# Altium PCB ASCII_LimeSDR-USB_1v4s.PcbDoc (part 8 of 10)
Units mm, origin at the board's own origin, x right, y up, seen from the top; angles counter-clockwise.
Board outline 100 x 60 mm, 12 copper layers (Top, L2, L3, L4, L5, L6, L7, L8, L9, L10, L11, Bottom), stack 1.58 mm thick; 858 components, 627 nets, 4058 pads, 2110 vias.
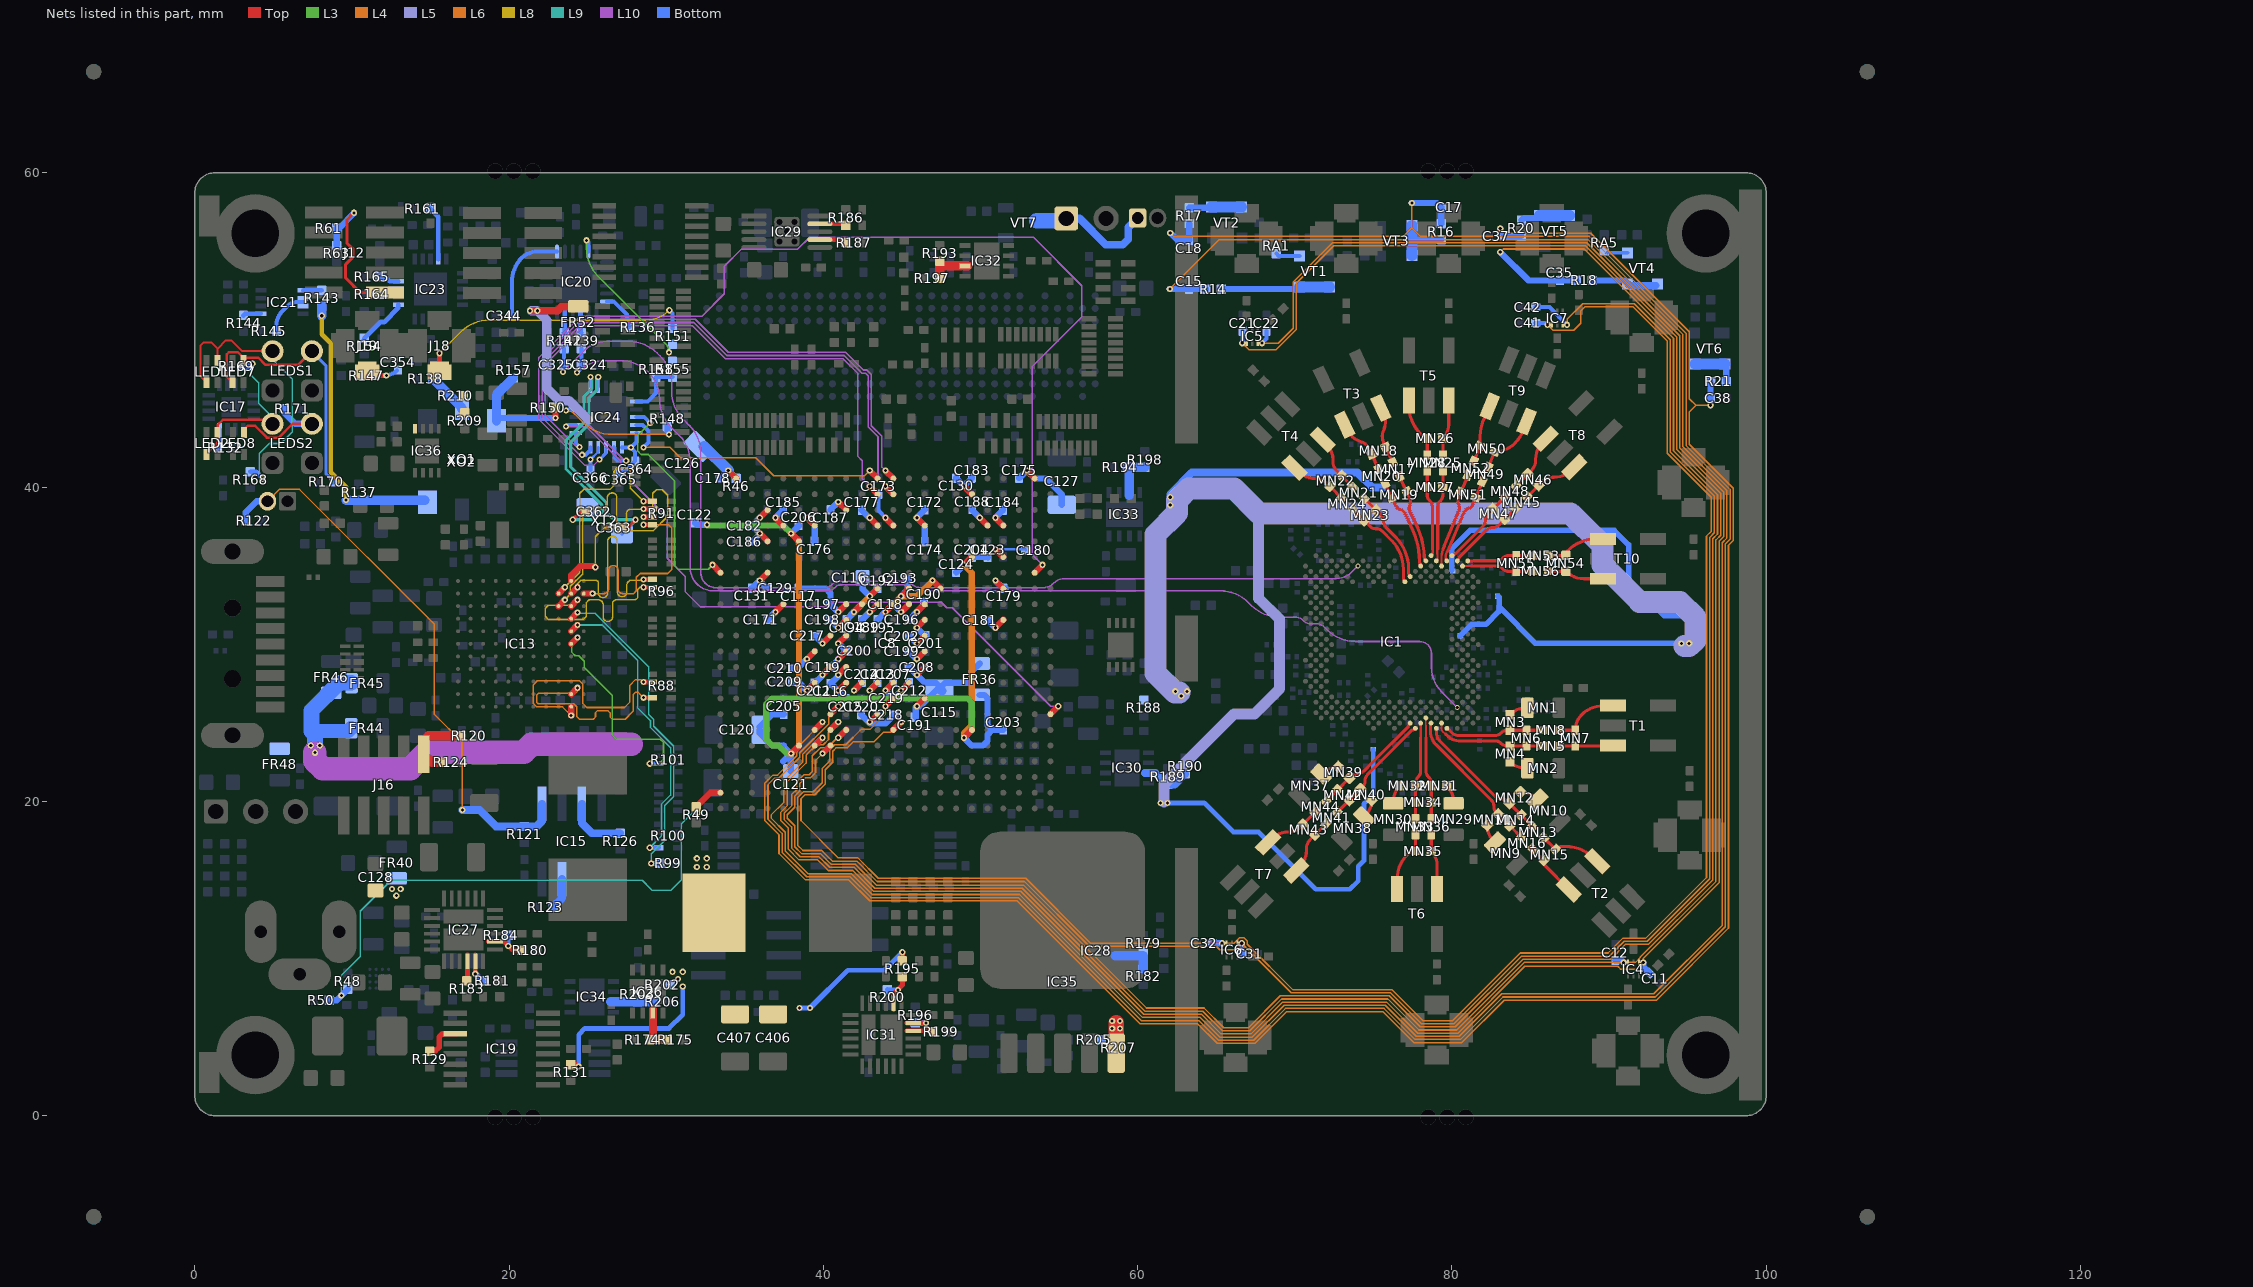
[diagram p16: the nets of this part, all layers, seen from the top]

## Via types
v1: diameter 0.4, hole 0.2, Top to Bottom, tented both sides, 1293 vias
v2: diameter 0.4, hole 0.2, Top to Bottom, tented top, 427 vias
v3: diameter 0.4, hole 0.2, Top to Bottom, 281 vias
v4: diameter 0.31, hole 0.2, Top to Bottom, tented top, 89 vias
v5: diameter 0.5, hole 0.2, Top to Bottom, tented both sides, 20 vias

## Nets (pads, with @x,y where several pads share a name; then routed paths per layer and width w, separated by ;. In a path a pad name is that pad's centre, name@x,y a point inside that pad or via, vN(x,y) a via of type N, cw(c..) or ccw(c..) an arc to the next point about the centre after c; other vN are vias at no path point) (continued)
NetIC13_J9: IC13.J9 R91.3 | length 14.7
  Top w0.3: v1(28.55,38.6) R91.3@29.125,38.6
  Top w0.4: IC13.J9@23.15,32.425 v2(23.55,32.825)
  L8 w0.1: v2(23.55,32.825) 23.9,33.175 23.9,33.692 24.7,34.492 24.7,38.45 24.85,38.6 25.425,38.6 25.8,38.6 25.951,38.6 ccw(c25.951,38.904) 26.255,38.904 26.255,39.324 cw(c26.559,39.324) 26.559,39.628 cw(c26.559,39.324) 26.863,39.324 26.863,38.6 26.863,37.754 ccw(c27.167,37.754) 27.167,37.45 ccw(c27.167,37.754) 27.471,37.754 27.471,38.296 cw(c27.775,38.296) 27.775,38.6 28.025,38.6 v1(28.55,38.6)
NetIC13_J10: IC13.J10 R91.1 | length 14.3
  Top w0.3: v1(28.55,39.1) R91.1@29.125,39.1
  Top w0.4: IC13.J10@23.15,33.225 v2(23.55,33.625)
  L8 w0.1: v2(23.55,33.625) 24.5,34.575 24.5,39.6 24.75,39.85 26.42,39.85 26.675,40.105 26.675,41 26.9,41.225 27.525,41.225 27.7,41.05 27.7,39.95 v1(28.55,39.1)
NetIC13_K1: IC13.K1 R88.6 | length 15
  Top w0.3: v1(28.55,27.6) R88.6@29.125,27.6
  Top w0.4: v2(23.95,25.459) IC13.K1@23.95,26.025
  L4 w0.1: v2(23.95,25.459) 23.4,26.009 21.766,26.009 21.55,26.225 21.55,27.425 21.8,27.675 24.475,27.675 24.7,27.45 24.7,26.225 24.95,25.975 27.34,25.975 27.691,26.326 27.691,27.391 28.05,27.75 28.4,27.75 v1(28.55,27.6)
NetIC13_K2: IC13.K2 R88.2 | length 14.4
  Top w0.3: v1(28.55,26.6) R88.2@29.125,26.6
  Top w0.4: IC13.K2@23.95,26.825 v2(24.35,27.225)
  L4 w0.1: v2(24.35,27.225) 24.35,27 24.225,26.875 21.875,26.875 21.75,26.75 21.75,26.308 21.849,26.209 24.116,26.209 24.3,26.025 24.3,25.4 24.475,25.225 25.35,25.225 25.5,25.375 25.5,25.65 25.625,25.775 26.275,25.775 26.425,25.625 26.425,25.375 26.575,25.225 27.387,25.225 27.891,25.729 27.891,26.791 28.05,26.95 28.2,26.95 v1(28.55,26.6)
NetIC13_K6: IC13.K6 R101.3 | length 14.2
  Top w0.4: IC13.K6@23.95,30.025 v2(24.35,30.425)
  L3 w0.1: v2(24.35,30.425) 24,30.075 24,29.48 24.205,29.275 24.425,29.275 24.775,28.925 24.775,28.525 26.575,26.725 26.575,24.2 26.825,23.95 29.625,23.95 29.825,23.75 29.825,22.675 29.55,22.4 v1(28.95,22.4)
  Bottom w0.3: v1(28.95,22.4) R101.3@29.525,22.4
NetIC13_K7: IC13.K7 R100.1 | length 19.2
  Top w0.4: IC13.K7@23.95,30.825 v2(24.35,31.225)
  L9 w0.1: v2(24.35,31.225) 25.928,31.225 28.2,28.953 28.2,25.93 29,25.13 29,24.694 30.275,23.419 30.275,20.4 29.7,19.825 29.7,17.8 v1(28.95,17.05)
  Bottom w0.3: v1(28.95,17.05) R100.1@29.525,17.05
NetIC13_K8: IC13.K8 R99.1 | length 20.9
  Top w0.4: IC13.K8@23.95,31.625 v2(24.35,32.025)
  L9 w0.1: v2(24.35,32.025) 24.4,31.975 25.461,31.975 28.9,28.536 28.9,25.513 29.2,25.213 29.2,24.776 30.475,23.501 30.475,20.317 29.9,19.742 29.9,17.505 29.05,16.655 v1(29.05,16.05)
  Bottom w0.3: v1(29.05,16.05) R99.1@29.625,16.05
NetIC13_K9: IC13.K9 R96.3 | length 14.2
  Top w0.3: v1(28.55,33.625) R96.3@29.125,33.625
  Top w0.4: IC13.K9@23.95,32.425 v2(24.35,32.825)
  L8 w0.1: v2(24.35,32.825) 24,32.475 22.5,32.475 22.3,32.275 22.3,31.775 22.5,31.575 24.725,31.575 24.9,31.75 24.9,32.625 25.1,32.825 25.475,32.825 25.675,32.825 cw(c25.675,32.521) 25.979,32.521 25.979,31.754 ccw(c26.283,31.754) 26.283,31.45 ccw(c26.283,31.754) 26.587,31.754 26.587,32.587 cw(c26.825,32.587) 26.825,32.825 28.05,32.825 28.2,32.975 28.2,33.5 28.325,33.625 v1(28.55,33.625)
NetIC13_K10: IC13.K10 R96.1 | length 14.6
  Top w0.3: v1(28.55,34.125) R96.1@29.125,34.125
  Top w0.4: IC13.K10@23.95,33.225 v2(24.35,33.625)
  L8 w0.1: v2(24.35,33.625) 24.35,33.85 24.575,34.075 25.1,34.075 25.5,34.075 cw(c25.5,33.903) 25.672,33.903 25.672,33.271 ccw(c25.976,33.271) 25.976,32.967 ccw(c25.976,33.271) 26.28,33.271 26.28,34.075 26.28,36.565 cw(c26.584,36.565) 26.584,36.869 cw(c26.584,36.565) 26.888,36.565 26.888,34.075 26.888,33.329 ccw(c27.192,33.329) 27.192,33.025 ccw(c27.192,33.329) 27.496,33.329 27.496,33.771 cw(c27.8,33.771) 27.8,34.075 28.4,34.075 28.5,34.075 v1(28.55,34.125)
NetIC13_K11: IC13.K11 R91.5 | length 14.5
  Top w0.3: v1(28.55,38.1) R91.5@29.125,38.1
  Top w0.4: IC13.K11@23.95,34.025 23.95,34.4 24.525,34.975 25.416,34.975 v2(25.491,34.9)
  L8 w0.1: v2(25.491,34.9) 25.491,36.841 26.079,37.429 26.732,37.429 26.928,37.233 29.183,37.233 30.1,38.15 30.1,39.475 29.75,39.825 29.375,39.825 29.15,39.6 29.15,38.325 28.925,38.1 v1(28.55,38.1)
NetIC13_L10: IC13.L10 R91.7 | length 14.9
  Top w0.3: v1(28.55,37.6) R91.7@29.125,37.6
  Top w0.4: IC13.L10@24.75,33.225 v2(25.316,33.225)
  L4 w0.1: v2(25.316,33.225) 26.025,33.225 ccw(c26.025,33.529) 26.329,33.529 26.329,34.699 cw(c26.633,34.699) 26.633,35.003 cw(c26.633,34.699) 26.937,34.699 26.937,33.529 ccw(c27.241,33.529) 27.241,33.225 27.545,33.225 27.7,33.225 27.925,33.225 28.1,33.4 28.1,34.255 28.345,34.5 30.1,34.5 30.35,34.75 30.35,37.4 30.15,37.6 v1(28.55,37.6)
NetIC15_1: IC15.1 J17.2 R121.2 R122.2 | length 36
  L4 w0.1: J17.2@4.63,39.1 4.63,39.112 5.368,39.85 6.67,39.85 15.25,31.27 15.25,25.531 17.025,23.756 v1(17.025,19.45)
  Bottom w0.4: R122.2@3.25,37.85 3.25,38.4 3.95,39.1 J17.2@4.63,39.1
  Bottom w0.5: v1(17.025,19.45) 18.125,19.45 19.175,18.4 R121.2@20.975,18.4 21.75,18.4 22.095,18.745 IC15.1@22.095,19.85
NetIC15_3: IC15.3 R126.2 | length 3.9
  Bottom w0.5: IC15.3@24.635,19.85 24.635,18.615 25.275,17.975 R126.2@27.075,17.975
NetIC15_7: IC15.7 R123.2 | length 2
  Bottom w0.5: R123.2@22.8,13.275 23.365,13.84 IC15.7@23.365,15.05
NetIC17_16: IC17.16 R132.2 | length 1.2
  Bottom w0.3: R132.2@1.475,42.5 1.575,42.6 IC17.16@1.575,43.675
NetIC19_3: IC19.3 R129.2 | length 2.5
  Top w0.35: R129.2@14.95,4.1 15.3,4.1 15.55,4.35 15.55,5 15.775,5.225 IC19.3@16.575,5.225
NetIC20_3: IC20.3 R139.2 | length 1.3
  Bottom w0.3: IC20.3@24.55,51.138 24.55,49.863 R139.2@24.6,49.813
NetIC20_5: IC20.5 R142.2 | length 1.3
  Bottom w0.3: R142.2@23.5,49.813 23.55,49.863 IC20.5@23.55,51.138
NetIC20_24: IC20.24 R136.1 | length 2.5
  Bottom w0.25: IC20.24@26.225,51.813 26.662,51.813 27.5,50.975 27.5,50.35 R136.1@27.675,50.175
NetIC21_1: IC21.1 R143.1 | length 1.2
  Bottom w0.309: IC21.1@6.9,52.525 R143.1@8.075,52.525
NetIC21_2: IC21.2 IC21.3 R145.2 | length 3
  Bottom w0.254: R145.2@5.2,49.925 5.2,50.3 cw(c6.467,50.3) 5.571,51.196 5.875,51.5 ; 5.875,51.5 cw(c6.539,50.836) 6.539,51.775 7,51.775
NetIC21_5: IC21.5 R144.2 | length 1.1
  Bottom w0.3: R144.2@3.1,50.925 3.2,51.025 IC21.5@4.2,51.025
NetIC23_11: IC23.11 R154.1 | length 3.2
  Bottom w0.3: R154.1@10.775,49.475 11.8,50.5 12.05,50.5 12.95,51.4 IC23.11@12.95,51.6
NetIC23_13: IC23.13 R164.2 | length 1.3
  Bottom w0.3: R164.2@11.775,52.275 12.05,52.275 12.375,52.6 IC23.13@12.95,52.6
NetIC23_14: IC23.14 R165.2 | length 1.3
  Bottom w0.3: R165.2@11.775,53.375 12.125,53.375 12.4,53.1 IC23.14@12.95,53.1
NetIC23_19: IC23.19 R161.1 | length 3.4
  Bottom w0.3: R161.1@14.975,57.725 15.5,57.2 IC23.19@15.5,54.5
NetIC24_6: IC24.6 R155.2 R158.1 | length 3.5
  Bottom w0.25: IC24.6@28.1,45.45 28.825,45.45 29.35,45.975 R158.1@29.35,47 R155.2@30.4,47
NetIC26_3: IC26.3 R174.1 R175.1 | length 3.1
  Top w0.5: IC26.3@29.15,6.75 29.15,5 R174.1@28.975,4.825 R175.1@30.075,4.825
NetIC27_2: IC27.2 R180.2 R184.2 | length 3
  Top w0.309: IC27.2@18.7,11.075 IC27.2@19.1,11.075 19.7,11.075 20.25,10.525 R180.2@20.8,10.525
  Bottom w0.309: v1(19.95,10.8) 19.95,11.45 R184.2@19.975,11.475
NetIC27_22: IC27.22 R183.1 | length 1.6
  Top w0.309: R183.1@17.35,8.625 IC27.22@17.35,10.225
NetIC27_23: IC27.23 R181.1 | length 1.8
  Top w0.309: v1(17.85,9.025) IC27.23@17.85,10.225
  Bottom w0.4: v1(17.85,9.025) R181.1@18.3,8.575
NetIC28_3: IC28.3 R179.1 R182.1 | length 2.6
  Bottom w0.6: IC28.3@58.562,10.175 60.354,10.175 60.365,10.164 R182.1@60.365,9.364
NetIC29_7: IC29.7 R187.2 | length 1.7
  Top w0.3: IC29.7@39.775,55.75 41.225,55.75 R187.2@41.425,55.55
NetIC29_9: IC29.9 R186.2 | length 1.7
  Top w0.3: IC29.9@39.775,56.75 41.325,56.75 R186.2@41.425,56.65
NetIC30_3: IC30.3 R189.2 R190.2 | length 3.1
  Bottom w0.5: IC30.3@60.475,21.8 61.121,21.8 61.846,21.075 R189.2@61.925,21.075 62.35,21.075 R190.2@63.025,21.75
NetIC31_2: IC31.2 R195.2 R200.1 | length 3
  Top w0.309: IC31.2@44.475,6.75 IC31.2@44.475,7.15 44.475,7.75 45.025,8.3 R195.2@45.025,8.85
  Bottom w0.309: R200.1@44.075,8.025 44.1,8 v1(44.75,8)
NetIC31_22: IC31.22 R199.1 | length 1.6
  Top w0.309: IC31.22@45.325,5.4 R199.1@46.925,5.4
NetIC31_23: IC31.23 R196.1 | length 1.9
  Top w0.309: IC31.23@45.325,5.9 IC31.23@45.725,5.9 v1(46.525,5.9)
  Bottom w0.4: R196.1@45.85,5.9 v1(46.525,5.9)
NetIC32_3: IC32.3 R193.1 R197.1 | length 2.3
  Top w0.6: R197.1@47.4,53.275 47.4,54.075 ; 47.7,54.075 IC32.3@49.2,54.075
NetIC33_3: IC33.3 R194.1 R198.2 | length 2.7
  Bottom w0.6: R194.1@59.35,41.25 R198.2@60.45,41.25 ; IC33.3@59.475,39.475 R194.1@59.475,41.125
NetIC34_3: IC34.3 R203.1 R206.1 | length 2.8
  Bottom w0.6: IC34.3@26.472,7.236 R206.1@29.261,7.236
NetIC35_5: IC35.5 R205.2 R207.1 | length 1.9
  Top w1: IC35.5@58.635,3.975 58.635,5.905
  other v1: 58.375,5.55 58.875,5.55 58.375,6.025 58.875,6.025
NetIC36_8: IC36.8 R209.2 R210.2
NetJ12_10: J12.10 R61.2 R63.2 | length 10.2
  Top w0.2: v1(10.125,57.45) 9.675,57 9.675,55.534 10.075,55.134 10.075,54.65 9.6,54.175 9.6,53.309 10.534,52.375 J12.10@12.1,52.375
  Bottom w0.4: R63.2@9.025,55.375 R61.2@9.025,56.475 9.182,56.475 10.125,57.418 v1(10.125,57.45)
NetJ13_1: J13.1 J14.1 VT7.D | length 8
  Bottom w0.5: J13.1@55.455,57.1 56.3,57.1 57.975,55.425 59.053,55.425 59.4,55.772 59.4,56.525 J14.1@60,57.125
  Bottom w1: VT7.D@53.6,56.95 J13.1@55.255,56.95
NetJ16_10: J16.10 R120.1 R124.2 | length 4.8
  Top w0.6: R124.2@15.8,22.5 15.075,22.5 J16.10@14.575,23 14.575,23.9 14.85,24.175 R120.1@16.925,24.175
NetJ18_1: J18.1 R151.1 | length 17.8
  Top w0.325: J18.1@15.575,47.4 v1@15.575,48.445
  L8 w0.1: v1(15.575,48.521) 16.936,49.881 cw(c18.732,48.085) 18.732,50.625 28.691,50.625 ccw(c28.691,52.759) v1(30.2,51.25)
  Bottom w0.254: v1(30.2,51.25) 30.4,51.05 R151.1@30.4,50.1
NetLED1_1: LED1.1 LED1.4 LEDS1.A1 R168.2 | length 19.6
  Top w0.12: LED1.4@0.75,46.65 0.36,47.04 0.36,48.994 0.576,49.21 1.04,49.21 1.445,48.805 1.976,49.335 2.322,49.335 3.007,48.65 LEDS1.A1@4.95,48.65 ; LED1.1@1.45,48.05 1.45,48.805
  L9 w0.1: v1(4.3,40.525) 4.1,40.725 4.1,42.142 4.733,42.775 5.468,42.775 6.2,43.507 6.2,46.873 4.95,48.123 LEDS1.A1@4.95,48.625
  Bottom w0.3: R168.2@3.525,40.975 3.9,40.975 v1@4.3,40.575
NetLED2_1: LED2.1 LED2.4 LEDS2.A1 R169.2 | length 10.9
  Top w0.15: LED2.4@0.75,42.075 0.75,42.143 1.45,42.843 LED2.1@1.45,43.475 1.45,43.95 1.775,44.275 4.7,44.275 LEDS2.A1@4.95,44.025
  L9 w0.1: v1(3.675,47.85) 3.6,47.775 3.6,47.1 4.075,46.625 4.075,45.325 4.95,44.45 LEDS2.A1@4.95,44.025
  Bottom w0.4: R169.2@3.125,47.7 3.525,47.7 v1(3.675,47.85)
NetLED7_1: LED7.1 LED7.4 LEDS1.A2 R170.2 | length 17
  Top w0.15: LED7.4@2.4,46.65 2.025,47.025 2.025,48.443 2.157,48.575 2.75,48.575 3.1,48.225 4.05,48.225 4.5,47.775 6.575,47.775 LEDS1.A2@7.45,48.65
  Bottom w0.2: LEDS1.A2@7.45,48.625 8.35,47.725 8.35,40.85 R170.2@8.875,40.325 ; R170.2@8.788,40.237 R170.2@8.8,40.225
NetLED8_1: LED8.1 LEDS2.A2 R171.2 | length 7.6
  Top w0.15: LED8.1@3.125,43.475 3.125,43.675 3.35,43.9 3.838,43.9 4.588,43.15 5.35,43.15 6.225,44.025 LEDS2.A2@7.45,44.025
  Bottom w0.4: R171.2@5.7,45 5.7,44.725 6.4,44.025 LEDS2.A2@7.45,44.025
NetMN1_1: MN1.1 MN3.2 | length 1.2
  Top w0.2: MN3.2@83.695,25.523 cw(c84.72,24.498) 84.72,25.947 MN1.1@84.805,25.947
NetMN2_1: MN2.1 MN4.2 | length 1.2
  Top w0.2: MN4.2@83.695,22.523 ccw(c84.711,23.538) 84.711,22.102 MN2.1@84.806,22.102
NetMN9_1: MN9.1 MN11.2 | length 1.2
  Top w0.2: MN11.2@82.242,18.466 ccw(c83.678,18.466) 82.663,17.45 MN9.1@82.73,17.383
NetMN10_1: MN10.1 MN12.2 | length 1.2
  Top w0.2: MN12.2@84.364,20.587 cw(c84.364,19.137) 85.389,20.162 MN10.1@85.449,20.102
NetMN29_1: MN29.1 MN31.2 | length 1.2
  Top w0.2: MN31.2@79.68,20.984 cw(c78.656,19.959) 80.105,19.959 MN29.1@80.105,19.874
NetMN30_1: MN30.1 MN32.2 | length 1.2
  Top w0.2: MN30.1@76.26,19.874 76.26,19.969 cw(c77.696,19.969) MN32.2@76.681,20.984
NetMN37_1: MN37.1 MN39.2 | length 1.2
  Top w0.2: MN37.1@71.689,21.711 71.756,21.778 cw(c72.771,20.763) MN39.2@72.771,22.199
NetMN38_1: MN38.1 MN40.2 | length 1.2
  Top w0.2: MN38.1@74.408,18.993 74.468,19.053 ccw(c73.443,20.077) MN40.2@74.892,20.077
NetR14_1: R14.1 VT1.3 VT1.4 | length 6.7
  Bottom w0.4: R14.1@65.325,52.6 VT1.3@70.175,52.6
  Bottom w0.7: VT1.3@70.313,52.737 VT1.4@72.213,52.737
NetR16_1: R16.1 VT3.3 VT3.4 | length 3.8
  Bottom w0.4: 77.47,55.75 R16.1@79.325,55.75
  Bottom w0.7: VT3.3@77.445,54.738 VT3.4@77.445,56.637
NetR17_2: R17.2 VT2.3 VT2.4 | length 3.3
  Bottom w0.4: R17.2@63.275,57.775 VT2.4@64.65,57.775
  Bottom w0.7: VT2.4@64.7,57.825 VT2.3@66.6,57.825
NetR18_1: R18.1 VT4.3 VT4.4 | length 4.2
  Bottom w0.4: R18.1@88.925,53.15 90.975,53.15 VT4.3@91.188,52.937
  Bottom w0.46: VT4.3@91.188,52.937 91.305,52.82 VT4.4@92.97,52.82
NetR20_2: R20.2 VT5.3 VT5.4 | length 3.2
  Bottom w0.4: R20.2@84.425,56.975 84.575,57.125 85.425,57.125 VT5.4@85.575,57.275
  Bottom w0.7: VT5.4@85.575,57.275 VT5.3@87.475,57.275
NetR21_1: R21.1 VT6.3 VT6.4 | length 2.9
  Bottom w0.4: R21.1@97.462,46.72 VT6.4@97.462,47.687
  Bottom w0.7: VT6.3@95.475,47.825 VT6.4@97.375,47.825
NetR137_2: R137.2 R143.2 XO1.4 XO2.3 | length 18
  L8 w0.3: v1(8.075,50.9) 8.075,49.725 8.65,49.15 8.65,40.95 9.625,39.975 v1(9.625,39.175)
  Bottom w0.6: v1(8.075,50.9) R143.2@8.075,51.525 ; v1(9.625,39.175) R137.2@10.425,39.175 XO1.4@14.65,39.175
NetR138_1: R138.1 XO1.6 | length 2.7
  Bottom w0.6: R138.1@15.15,46.9 17,45.05 XO1.6@17,44.975
NetRA1_2: RA1.2 VT1.2 | length 1.5
  Bottom w0.254: RA1.2@68.825,54.85 68.963,54.712 VT1.2@70.288,54.712
NetRA5_2: RA5.2 VT4.2 | length 1.3
  Bottom w0.254: RA5.2@89.838,54.912 VT4.2@91.163,54.912
PWR_SRC: IC8.B22 R48.2 R49.1 R50.2 | length 36.2
  Top w0.4: v1(31.975,19.25) 31.975,19.725 32.8,20.55 IC8.B22@33.45,20.55
  L9 w0.1: v1(9.325,7.65) 9.325,8.925 10.525,10.125 10.525,13 12.5,14.975 28.475,14.975 29.1,14.35 30.3,14.35 30.95,15 30.95,18.554 31.646,19.25 v1(31.975,19.25)
  Bottom w0.4: R50.2@8.55,7.35 9.025,7.35 R48.2@9.725,8.05
REF_ADF: C344.2 IC20.13 | length 6.2
  Bottom w0.254: C344.2@20.175,50.9 20.175,53.039 cw(c22.405,53.039) 20.416,54.048 cw(c22.405,53.039) 20.828,54.615 cw(c21.877,53.323) 21.877,54.988 IC20.13@23.05,54.988
REF_CLK_IN: C354.1 J19.1 R147.2 | length 2.9
  Top w0.325: J19.1@10.975,47.4 ccw(c11.275,47.4) 11.275,47.1 v1(12.19,47.1)
  Bottom w0.254: R147.2@11.425,47.1 12.09,47.1 ccw(c12.09,48.21) C354.1@12.875,47.425
REF_CLK_OUT: IC20.17 R151.2 R155.1 | length 9.9
  L3 w0.1: v1(24.925,55.7) 24.925,55.202 ccw(c27.465,55.202) 25.669,53.406 29.945,49.13 cw(c29.39,48.575) v1(30.175,48.575)
  Bottom w0.25: v1(24.925,55.7) 25.05,55.575 IC20.17@25.05,54.988
RXPLL_CLK: C325.2 IC1.AM24 R142.1 | length 66.2
  L10 w0.1: v1(23.425,47.325) 24.772,48.672 cw(c26.227,47.218) 26.227,49.275 27.623,49.275 cw(c27.623,46.735) 29.419,48.531 29.606,48.344 cw(c27.81,46.548) 30.35,46.548 30.35,46.096 ccw(c32.89,46.096) 30.621,44.954 ccw(c32.89,46.096) 31.094,44.3 31.456,43.937 cw(c29.66,42.141) 32.2,42.141 32.2,34.553 ccw(c33.153,34.553) 33.153,33.6 40.067,33.6 ccw(c40.067,34.283) 40.55,33.8 cw(c41.033,33.317) 41.033,34 45.203,34 cw(c45.203,33.403) 45.625,33.825 ccw(c46.168,34.368) 46.168,33.6 53.986,33.6 ccw(c53.986,34.539) 54.65,33.875 cw(c55.374,33.151) 55.374,34.175 72.65,34.175 ccw(c72.65,35.541) 73.616,34.575 v4(74.012,34.971)
  Bottom w0.254: v1(23.425,47.325) 23.5,47.4 C325.2@23.5,47.775 ; C325.2@23.5,47.763 R142.1@23.5,48.813
RXRF1_HAB_N: IC1.AJ15 MN23.1 MN24.2 | length 6.1
  Top w0.2: MN24.2@73.703,38.59 MN23.1@74.445,37.848 74.794,37.5 ccw(c75.153,37.859) 75.153,37.351 75.199,37.351 cw(c75.199,36.843) 75.558,37.202 76.158,36.602 cw(c74.344,34.789) 76.909,34.789 76.909,34.705 76.909,34.214 ccw(c77.25,34.214) IC1.AJ15@77.009,33.972
RXRF1_HAB_P: IC1.AK14 MN21.2 MN23.2 | length 6
  Top w0.2: MN21.2@74.41,39.297 MN23.2@75.153,38.555 75.501,38.207 cw(c75.141,37.848) 75.649,37.848 75.649,37.802 ccw(c76.157,37.802) 75.798,37.443 76.398,36.843 cw(c74.361,34.805) 77.242,34.805 77.242,34.722 77.242,34.547 ccw(c77.583,34.547) IC1.AK14@77.342,34.305
RXRF1_HBB_N: MN22.1 MN24.1 T4.6 | length 3.7
  Top w0.2: T4.6@70.005,41.199 70.213,40.992 ccw(c71.29,42.069) 71.29,40.545 71.383,40.545 cw(c71.383,39.664) 72.006,40.287 72.228,40.065 MN22.1@72.253,40.04 MN24.1@72.996,39.297
RXRF1_HBB_P: MN21.1 MN22.2 T4.4 | length 3.7
  Top w0.2: T4.4@71.776,43.021 71.984,42.813 cw(c70.906,41.735) 72.43,41.735 72.43,41.642 ccw(c73.311,41.642) 72.688,41.019 ; 72.713,40.994 MN22.2@72.961,40.747 73.42,40.287 MN21.1@73.703,40.004
RXRF1_LAB_N: IC1.AM12 MN19.1 MN20.2 | length 5.8
  Top w0.2: MN20.2@75.755,40.245 76.199,39.294 76.407,38.847 ccw(c76.868,39.062) 76.694,38.585 76.737,38.569 cw(c76.563,38.092) 77.024,38.306 ; 77.037,38.278 77.53,37.221 cw(c72.932,35.248) 77.935,35.269 ccw(c78.277,35.269) IC1.AM12@78.035,35.027
RXRF1_LAB_P: IC1.AN11 MN17.2 MN19.2 | length 5.7
  Top w0.2: MN17.2@76.662,40.668 77.105,39.716 77.313,39.27 cw(c76.853,39.055) 77.33,38.882 77.315,38.839 ccw(c77.792,38.665) 77.332,38.45 77.838,37.365 cw(c73.24,35.391) 78.241,35.546 ccw(c78.582,35.546) IC1.AN11@78.341,35.304
RXRF1_LBB_N: MN18.1 MN20.1 T3.3 | length 3.7
  Top w0.2: T3.3@73.173,43.962 73.297,43.696 ccw(c74.678,44.34) 74.157,42.908 74.244,42.876 cw(c73.942,42.048) 74.741,42.42 MN18.1@74.889,42.103 MN20.1@75.333,41.152
RXRF1_LBB_P: MN17.1 MN18.2 T3.1 | length 3.7
  Top w0.2: T3.1@75.475,45.035 75.653,44.653 cw(c74.552,44.14) 75.693,43.724 75.618,43.517 ccw(c76.446,43.215) 75.647,42.843 MN18.2@75.795,42.526 76.07,41.937 MN17.1@76.239,41.574
RXRF1_WAB_N: IC1.AP10 MN27.2 MN28.2 | length 5.5
  Top w0.16: IC1.AP10@78.674,35.637 ccw(c78.428,35.884) 78.776,35.884 78.776,36.019 cw(c78.824,36.067) 78.756,36.067
  Top w0.2: MN28.2@78.426,41.042 MN27.2@78.426,39.992 78.426,39.5 ccw(c78.934,39.5) 78.575,39.141 78.607,39.109 cw(c78.248,38.749) 78.756,38.749 78.756,36.067
RXRF1_WAB_P: IC1.AN9 MN25.2 MN27.1 | length 5.9
  Top w0.14: IC1.AN9@79.007,35.304 ccw(c78.84,35.471) 79.076,35.471 79.076,35.769
  Top w0.16: 79.076,35.769 79.076,36.023 ccw(c79.028,36.071) 79.096,36.071
  Top w0.2: 79.096,36.071 79.096,38.749 cw(c79.604,38.749) 79.245,39.109 79.277,39.141 ccw(c78.918,39.5) 79.426,39.5 MN27.1@79.426,39.992 MN25.2@79.426,41.042
RXRF1_WBB_N: MN26.1 MN28.1 T5.3 | length 3.9
  Top w0.2: T5.3@77.256,45.502 77.256,45.197 ccw(c79.796,45.197) 78,43.401 78.226,43.175 ccw(c78.426,43.376) MN26.1@78.426,43.092 MN28.1@78.426,42.042
RXRF1_WBB_P: MN25.1 MN26.2 T5.1 | length 3.6
  Top w0.2: MN25.1@79.426,42.042 MN26.2@79.426,43.092 ccw(c78.533,43.986) 79.796,43.986 T5.1@79.796,45.502
RXRF2_HAB_N: IC1.AM8 MN51.1 MN52.2 | length 6.1
  Top w0.11: IC1.AM8@79.34,34.971 79.34,35.567
  Top w0.15: 79.34,35.567 cw(c80.399,35.567) 79.439,36.015
  Top w0.2: 79.421,36.046 79.515,36.249 ; 79.508,36.245 80.452,38.524 ; 80.437,38.487 ccw(c79.968,38.681) 80.437,38.876 80.42,38.918 cw(c80.889,39.113) 80.42,39.307 MN51.1@80.589,39.716 MN52.2@81.01,40.732
RXRF2_HAB_P: IC1.AN7 MN49.2 MN51.2 | length 5.6
  Top w0.14: 79.605,35.469 ccw(c79.837,35.469) IC1.AN7@79.673,35.304
  Top w0.15: 79.605,35.469 79.605,35.523 cw(c80.417,35.523) 79.681,35.866
  Top w0.2: 79.726,35.894 79.82,36.096 ; 79.819,36.106 80.751,38.357 cw(c81.221,38.162) 81.026,38.632 81.069,38.649 ccw(c80.874,39.119) 81.344,38.924 MN51.2@81.513,39.333 MN49.2@81.934,40.349
RXRF2_HBB_N: MN50.1 MN52.1 T9.6 | length 3.7
  Top w0.2: MN52.1@81.393,41.656 MN50.1@81.794,42.626 81.795,43.253 cw(c84.335,43.253) T9.6@82.538,45.049
RXRF2_HBB_P: MN49.1 MN50.2 T9.4 | length 4.5
  Top w0.2: MN49.1@82.317,41.273 82.47,41.643 MN50.2@82.718,42.243 ccw(c82.718,44.028) 83.98,42.766 84.004,42.789 ccw(c82.208,44.586) T9.4@84.748,44.586
RXRF2_LAB_N: IC1.AP6 MN47.1 MN48.2 | length 5.1
  Top w0.2: IC1.AP6@80.006,35.637 80.041,35.672 cw(c80.199,35.514) 80.199,35.737 81.983,37.522 ccw(c81.624,37.881) 82.132,37.881 82.132,37.927 cw(c82.64,37.927) 82.28,38.286 82.628,38.634 MN48.2@83.371,39.376